# Altium PCB SAC100001-RFSENS.PcbDoc (part 1 of 4) (continued)
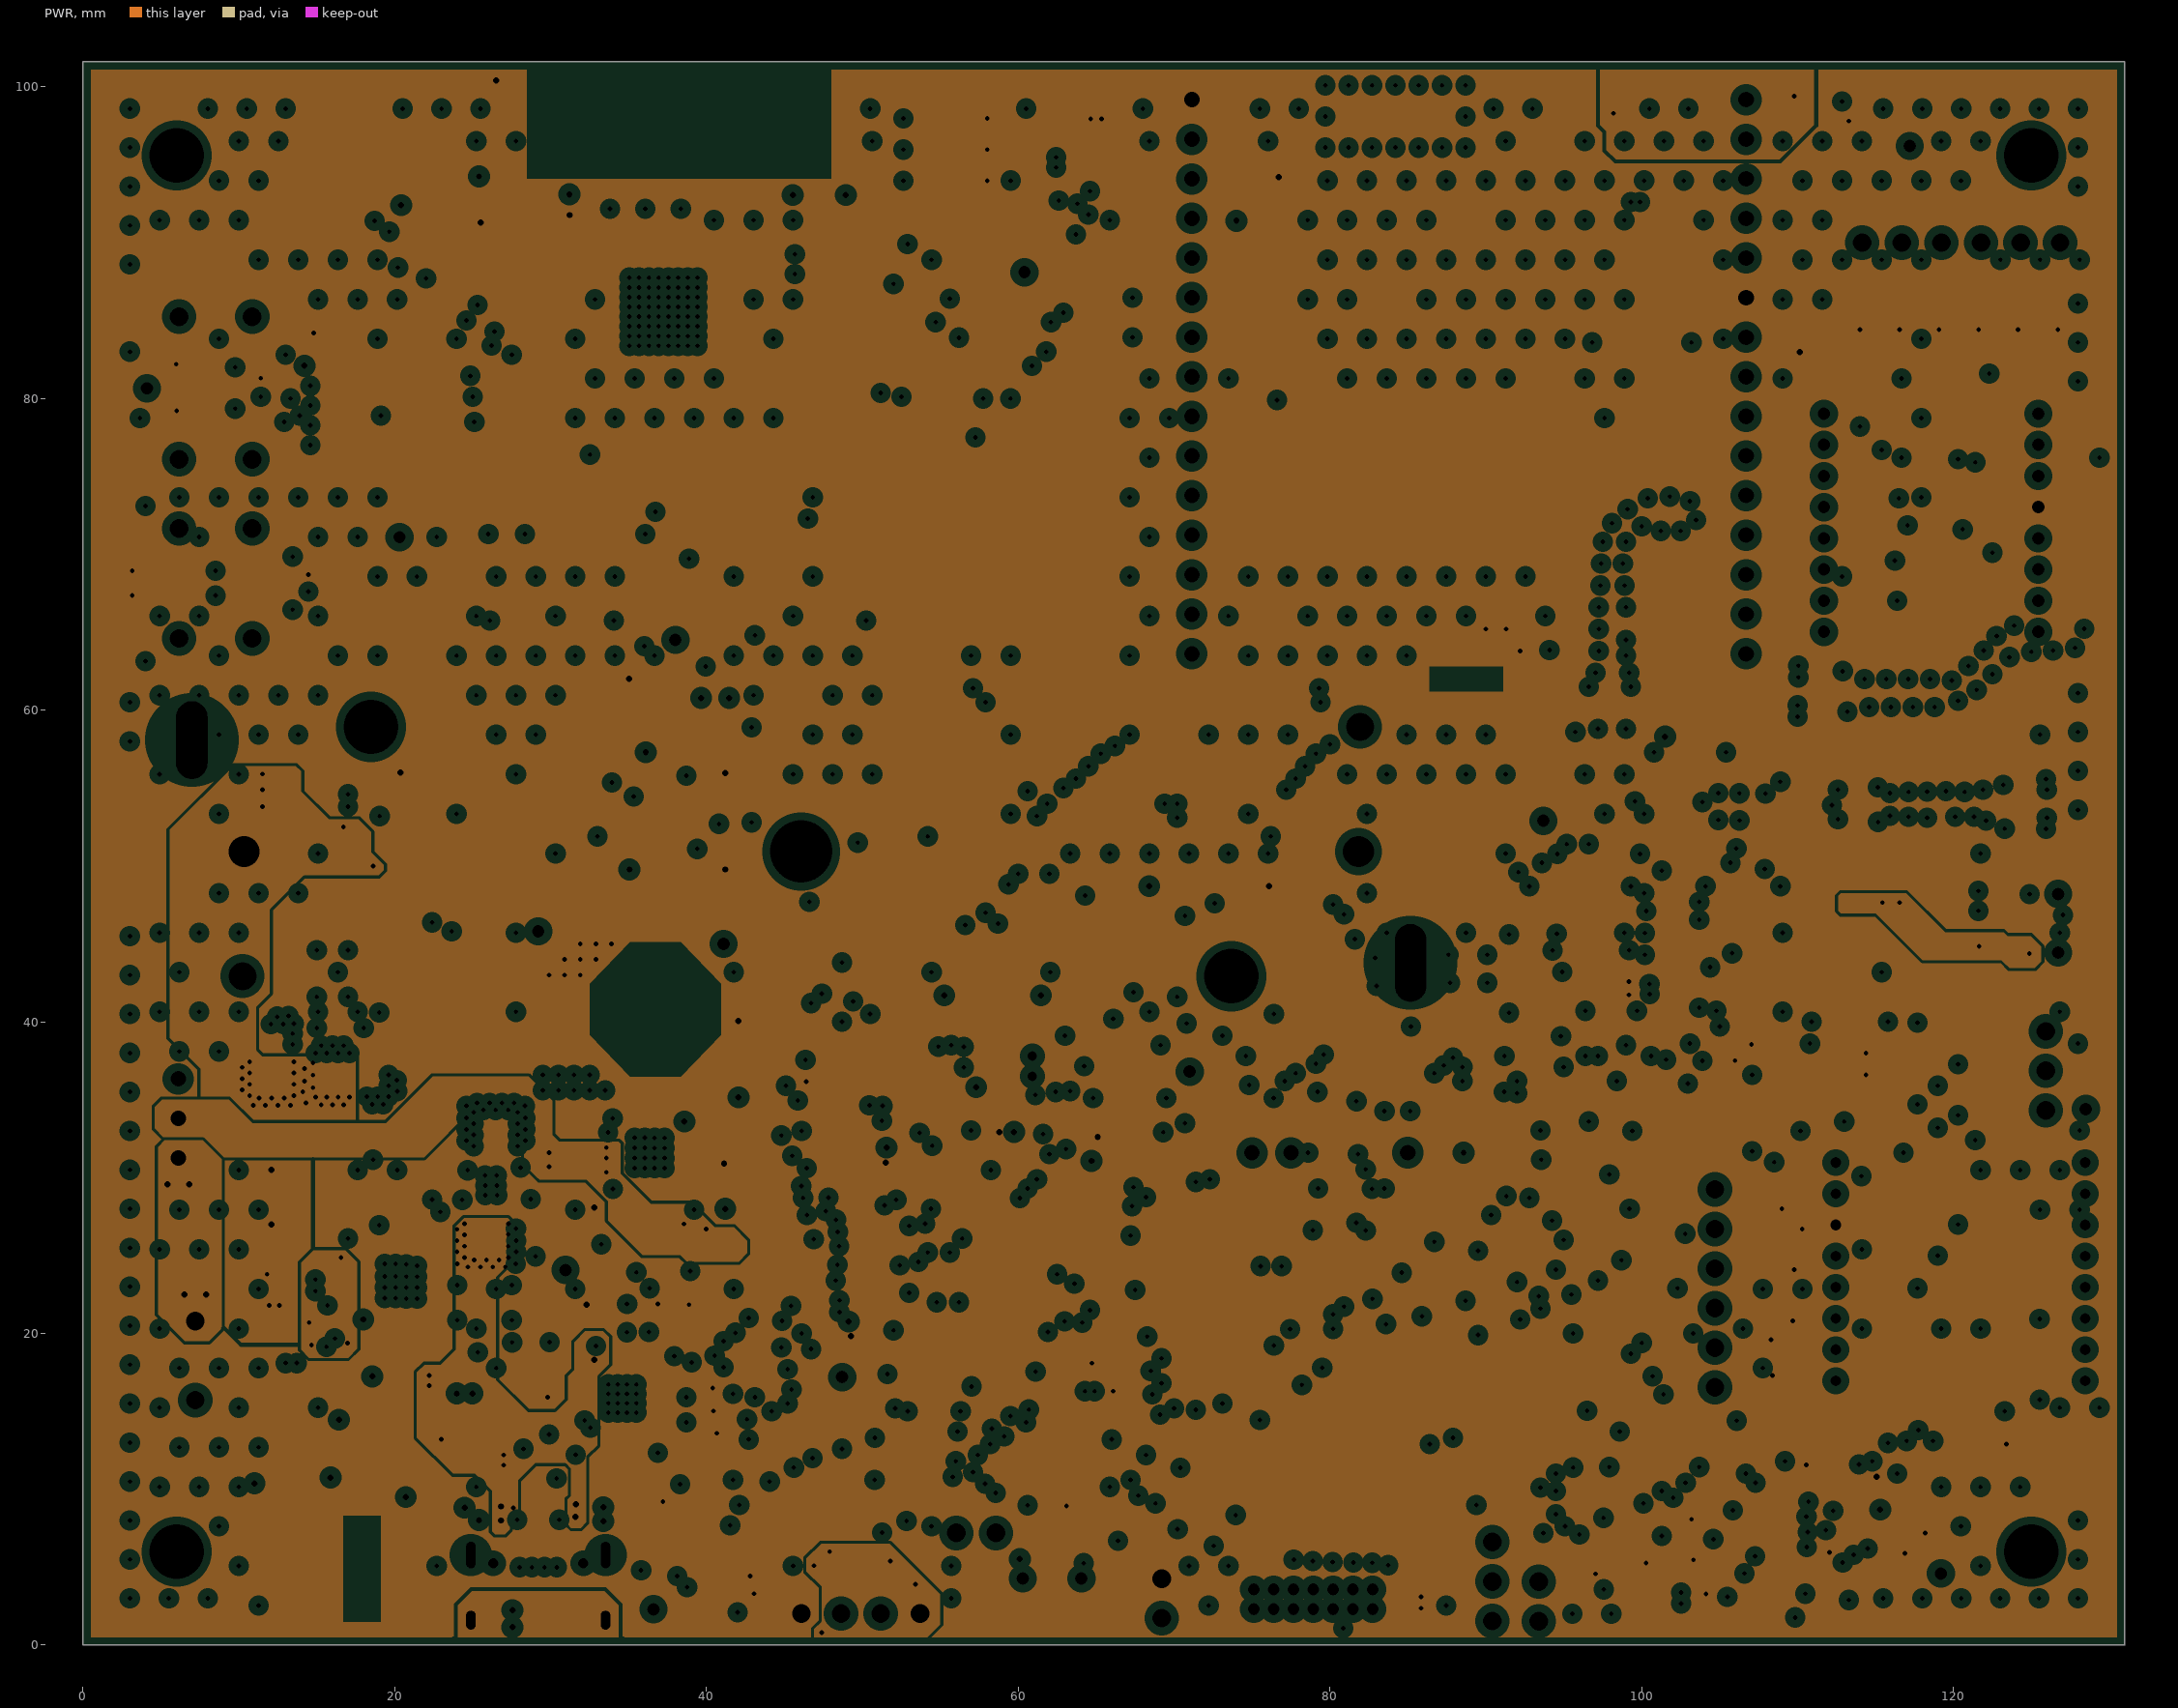
[diagram p3: PWR, clearances drawn from the general rule]
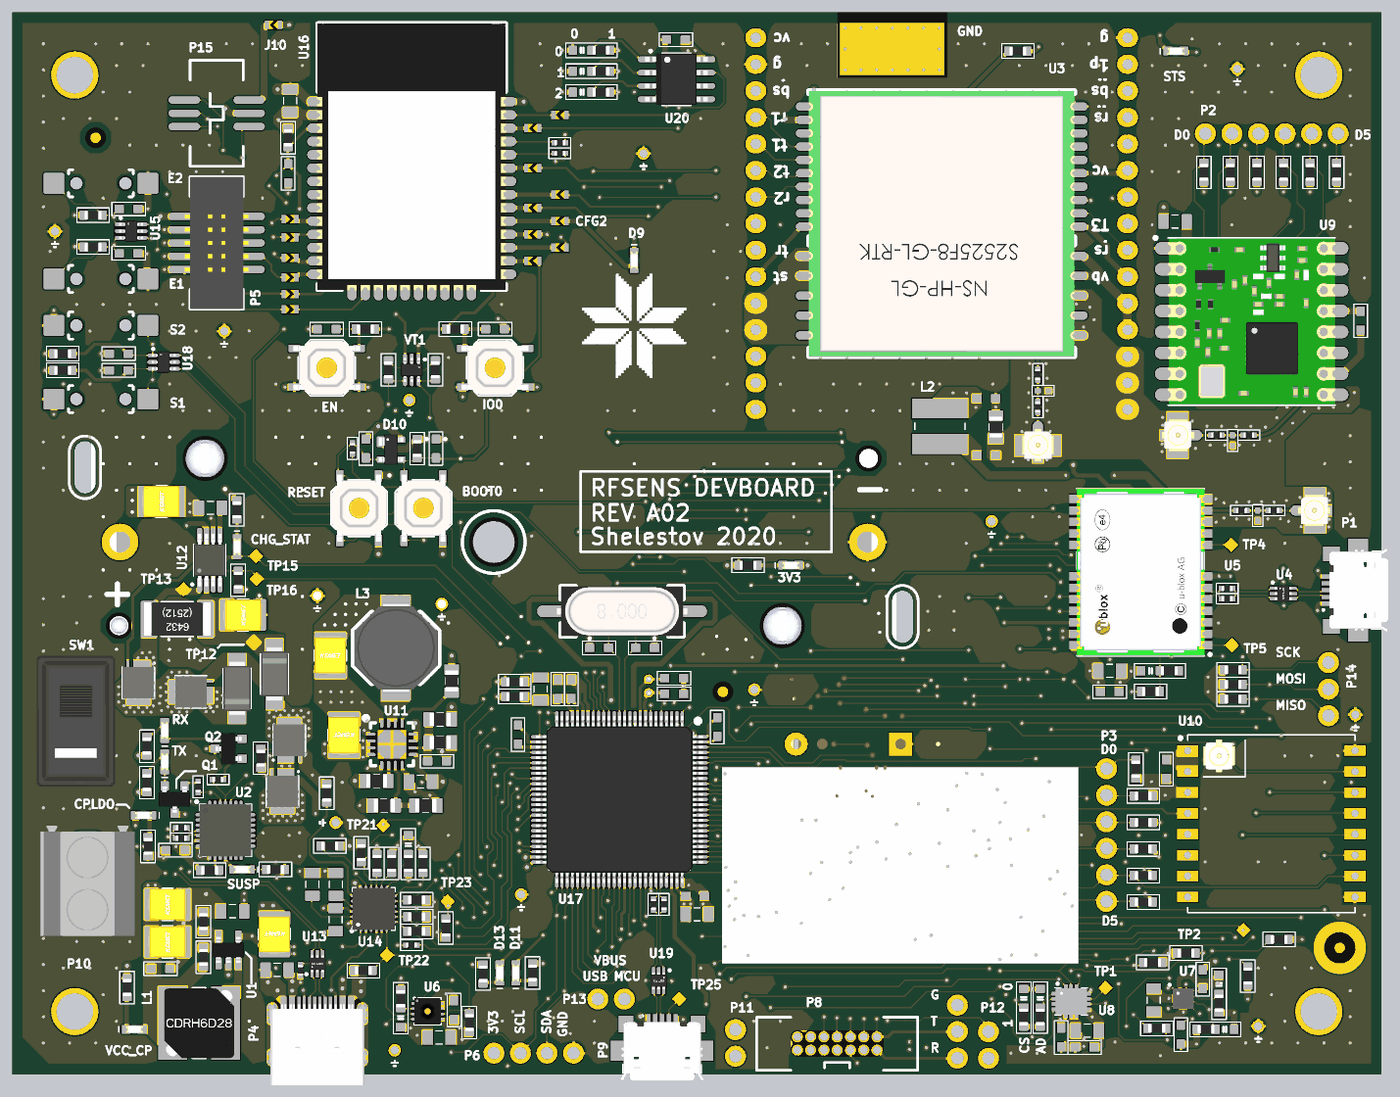
[diagram p7: 3D render of the assembled board from above, using the file's embedded part models]

## Layer stack, top to bottom
Top Solder: solder mask 0.0102, Solder Resist, Dk 3.5
TOP: signal copper 0.035
Dielectric 2: prepreg 0.1, PP-006, Dk 4.2
GND: plane copper 0.0175, net (Multiple Nets)
Dielectric 1: core 1.265, Core-009, Dk 4.5
PWR: plane copper 0.0175, net (Multiple Nets)
Dielectric 3: prepreg 0.1, PP-006, Dk 4.2
BOT: signal copper 0.035
Bottom Solder: solder mask 0.0102, Solder Resist, Dk 3.5

## Board outline
0,0 131,0 131,101.6 0,101.6

## Design rules (kind name [scope] priority, off if disabled: settings)
Clearance [All] p1: gap=0.15 ignorepadtopadclearanceinfootprint=FALSE except(0.089: Arc-Arc Arc-Track Track-Track; 0.1: SMDPad-SMDPad SMDPad-Hole; 0.2: SMDPad-Via)
ComponentClearance ComponentClearance_SMD_JUMPER [HasFootprint('CFG_J_0603')] p1: gap=0.1 collisioncheckmode=3 verticalgap=0.1 showdistances=FALSE
ComponentClearance [All] p2: gap=0.254 collisioncheckmode=3 verticalgap=0.254 showdistances=FALSE
DiffPairsRouting [All] p1: maxlimit=0.35 minlimit=0.111 mostfreqgap=0.203 toplayer_mingap=0.111 toplayer_maxgap=0.35 toplayer_minwidth=0.1 toplayer_maxwidth=0.16 toplayer_prefwidth=0.127 bottomlayer_minwidth=0.1 bottomlayer_maxwidth=0.16 bottomlayer_prefwidth=0.127 maxuncoupledlength=12.7
HoleSize [All] p1: absolutevalues=TRUE maxlimit=5.08 minlimit=0.025 maxpercent=80.000 minpercent=20.000
MinimumSolderMaskSliver [All] p1: minsoldermaskwidth=0.1
PlaneClearance [All] p1: clearance=0.508
PlaneConnect [All] p1: planeconnectstyle=Direct reliefexpansion=0.508 reliefentries=4 reliefconductorwidth=0.254 reliefairgap=0.254
PolygonConnect PolygonConnect_RFGND [InNet('RFGND') vs InNet('RFGND')] p1: connectstyle=Direct reliefconductorwidth=0.254 reliefentries=4 polygonreliefangle="90 Angle" airgapwidth=0.254
PolygonConnect PolygonConnect_GND [InNet('GND') and IsVia vs InNet('GND')] p2: connectstyle=Direct reliefconductorwidth=0.254 reliefentries=4 polygonreliefangle="90 Angle" airgapwidth=0.254
PolygonConnect PolygonConnect_CP_THERM [Name = 'GND_L04_P069'] p3: connectstyle=Direct reliefconductorwidth=0.254 reliefentries=4 polygonreliefangle="90 Angle" airgapwidth=0.254
PolygonConnect [All] p4: connectstyle=Relief reliefconductorwidth=0.254 reliefentries=4 polygonreliefangle="90 Angle" airgapwidth=0.254
RoutingVias RoutingVias_POWER [InNetClass('POWER_NET_CLASS')] p1: holewidth=0.4 width=0.8 viastyle="Through Hole" minholewidth=0.3 minwidth=0.6 maxholewidth=0.5 maxwidth=1.27
RoutingVias [All] p2: holewidth=0.3 width=0.6 viastyle="Through Hole" minholewidth=0.2 minwidth=0.45 maxholewidth=6.5 maxwidth=6.5
SilkToSolderMaskClearance [IsPad] p1: minsilkscreentomaskgap=0.17 clearancetoexposedcopper=TRUE
SolderMaskExpansion SolderMaskExpansion_VIA [IsVia] p1: expansion=0.102 istentingtop=TRUE
SolderMaskExpansion [All] p2: expansion=0.102 istentingtop=FALSE
Width Width_Power [InNetClass('POWER_NET_CLASS')] p1: maxlimit=2.5 minlimit=0.089 preferedwidth=0.65 minimp=50.000000 maximp=50.000000 favimp=50.000000
Width [All] p2: maxlimit=1.5 minlimit=0.089 preferedwidth=0.127 minimp=50.000000 maximp=50.000000 favimp=50.000000
23 further rules are at their usual default settings.

## Classes and differential pairs
net class POWER_NET_CLASS: 3V3 CHG_TIM CP_LDO FB_MAIN_DC GND GPS_VBAT NetL1_1 NetL3_1 NetSW1_3 RFGND RFVCC STAGND STAVCC SVBUSa SVBUSb TYPEC_SHIELD UGND VB_CONST VBUS VBUS_RAW VBUSc VBUSd VBUSi VBUSs VCC_CP VCCeprog VCCjeprog VIN_MAIN_DC VLI-ION VPLUG
net class USB: C_D0_N C_D0_P C_D_N C_D_P ST_D0_N ST_D0_P ST_D1_N ST_D1_P ST_D_N ST_D_P UB_D0_N UB_D0_P UB_D1_N UB_D1_P UB_D_N UB_D_P USB_D1_N USB_D1_P
differential pair ST_D: +ST_D_P -ST_D_N
differential pair UB_D: +UB_D_P -UB_D_N
differential pair USB_D1: +USB_D1_P -USB_D1_N
differential pair C_D: +C_D_P -C_D_N
differential pair ST_D0: +ST_D0_P -ST_D0_N
differential pair C_D0: +C_D0_P -C_D0_N
differential pair ST_D1: +ST_D1_P -ST_D1_N
differential pair UB_D0: +UB_D0_P -UB_D0_N
differential pair UB_D1: +UB_D1_P -UB_D1_N

## Components (designator, comment, footprint, x,y, rotation, side; value= is the part's Value field where it differs from the comment)
ANT1 "UFL" "U.FL CONNECTOR" 98.125,60.2 r180 top
ANT2 "UFL" "U.FL CONNECTOR" 124.575,53.95 r270 top
ANT3 "UFL" "U.FL CONNECTOR" 111.525,61.15 r90 top
B1 "CR12XX_BH500" BH500-CR1216/20/25-COMB 80,31.6 r180 bottom
B2 "18650_KEYS1042_HOLDER" 18650-COMBI 46.075,50.925 r0 bottom
C1 "10uF" CAP_SIZE_B 25.1,13.4 r90 top
C2 "1uF" C0805 21.1,15.6 r0 top
C3 "10uF" CAP_SIZE_B 14.875,12.663 r0 top
C4 "10uF" CAP_SIZE_B 14.875,16.263 r0 top
C5 "100nF" C0603 14.2,10.1 r180 top
C6 "100nF" C0603 15.625,21.45 r0 top
C7 "100nF" C0603_NOSILK 93.2,59.225 r180 top
C8 "100nF" C0603_NOSILK 93.175,64.675 r180 top
C9 "100nF" C0603 73.8,96 r45 bottom
C10 "1uF" C0805 74.6,93.8 r45 bottom
C11 "10pF" C0402 98.625,65.4 r180 top
C12 "10pF" C0402 119.15,53.45 r90 top
C13 "100nF" C0603 105,36.6 r0 top
C14 "1uF" C0805 105,38.6 r0 top
C15 "100nF" C0603 42.275,6.15 r270 top
C16 "1uF" C0805 40.85,3.525 r0 top
C17 "100nF" C0603 113.9,9.1 r90 top
C18 "1uF" C0805 109.2,7.1 r270 top
C19 "100nF" C0603 111.8,3.8 r270 top
C20 "100nF" C0603 100.35,3.525 r90 top
C21 "100nF" C0603 102.6,2.575 r0 top
C22 "1uF" C0805 102.85,4.175 r0 top
C23 "100nF" C0603 129,72.1 r90 top
C24 "1uF" C0805 111.25,81.6 r180 top
C25 "10pF" C0402 116.75,60.65 r90 top
C26 "100nF" C0603 110.4,29.2 r270 top
C27 "1uF" C0805 114.6,27.9 r270 bottom
C28 "10uF" CAP_SIZE_B 31.75,32.45 r90 top
C29 "1uF" C0805 39.075,28 r180 top
C30 "10pF" C0603 40.65,29.95 r180 top
C31 "22uF" CAP_SIZE_B 30.45,40.085 r270 top
C32 "10uF" CAP_SIZE_B 22.1,43.95 r0 top
C33 "10uF" CAP_SIZE_B 14.3,54.8 r0 top
C34 "100nF" C0805 18.975,54.2 r0 top
C35 "1uF" C0805 25.35,10 r0 top
C36 "1uF" C0805 30.95,14.8 r270 top
C37 "1uF" C0805 30.975,18.175 r270 top
C38 "1uF" C0805 28.725,18.175 r270 top
C39 "100uF" CAP_SIZE_B 29.2,92.45 r90 bottom
C40 "1uF" C0805 26.6,93.15 r270 top
C41 "1nF" C0603 11.15,78.55 r0 top
C42 "1nF" C0603 11.15,82.8 r0 top
C43 "1nF" C0603 26.4,86.2 r90 top
C44 "1nF" C0603 46.2,71.3 r180 top
C45 "1nF" C0603 30.1,71.3 r0 top
C46 "100nF" C0603 59.3,32.1 r180 bottom
C47 "100nF" C0603_NOSILK 65.325,17.05 r0 top
C48 "100nF" C0603 50.25,20.6 r270 bottom
C49 "100nF" C0603 67.45,33.225 r90 top
C50 "100nF" C0603 64,31.7 r90 bottom
C51 "100nF" C0603 48.4,32.5 r270 top
C52 "1nF" C0603 33.85,59.875 r270 top
C53 "1uF" C0805 50.55,36.85 r270 top
C54 "100nF" C0603 52.2,36.85 r270 top
C55 "10nF" C0603 53.5,36.85 r270 top
C56 "1nF" C0603 40.55,59.875 r90 top
C57 "20pF" C0603 56.15,40.8 r0 top
C58 "20pF" C0603 60.55,40.8 r180 top
C59 "1nF" C0603 10.2,67.35 r180 top
C60 "4.3pF" C0603 63.325,37.9 r180 top
C61 "4.3pF" C0603 63.325,36.4 r180 top
C62 "1nF" C0603 10.2,68.95 r180 top
C63 "1uF" C0805 65.525,15.3 r0 top
C64 "1uF" C0805 52.2,31.4 r270 bottom
C65 "100nF" C0603 63.5,99 r0 top
C66 "1uF" C0805 63.6,96.7 r0 bottom
C67 "100nF" C0805 32.275,32.15 r270 bottom
C68 "1nF" C1206 30.4,1.7 r0 bottom
CFG1 "CFG3_ORTH" CFG_0603 105.8,47.375 r90 bottom
CFG2 "CFG3_ORTH" CFG_0603 105.8,43.1 r90 bottom
CFG3 "CFG3_ORTH" CFG_0603 97.5,47.375 r90 bottom
CFG4 "CFG3_ORTH" CFG_0603 97.5,43.1 r90 bottom
CFG5 "CFG3_ORTH" CFG_0603 109.275,7.8 r90 bottom
CFG6 "CFG3_ORTH" CFG_0603 112.95,9.65 r180 bottom
CFG7 "CFG3_ORTH" CFG_0603 104.575,7.05 r90 bottom
CFG8 "CFG3_ORTH" CFG_0603 26.6,86.8 r270 bottom
D1 "LED" LED_0604 14.6,29.9 r90 top
D2 "LED" LED_0604 14.6,32.9 r90 top
D3 "LED" LED_0604 22,19.6 r180 top
D4 "LED" LED_0604 111.325,97.9 r0 top
D5 "SMD-DIODE-SCHOTTKY-40V-3A(DO-214AB)" DO-214AC 21.525,36.925 r270 top
D6 "SMD-DIODE-SCHOTTKY-40V-3A(DO-214AB)" DO-214AC 25.1,38.3 r90 top
D7 "LED" LED_0604 21.525,50.475 r270 top
D8 "PRTR5V0U2X,215" SOT143B 29.2,9 r270 bottom
D9 "LED" LED_0604 59.5,77.875 r270 top
D10 "PRTR5V0U2X,215" SOT143B 36.25,59.775 r270 top
D11 "LED" LED_0604 46.65,9.7 r90 top
D12 "PRTR5V0U2X,215" SOT143B 14.5,68.15 r180 bottom
D13 "LED" LED_0604 48.186,9.701 r90 top
D14 "PRTR5V0U2X,215" SOT143B 87.4,3.7 r0 bottom
D15 "PRTR5V0U2X,215" SOT143B 49.925,5.025 r270 bottom
D16 "PRTR5V0U2X,215" SOT143B 11.5,80.7 r180 bottom
D17 "LED" LED_0604 12.575,24.775 r180 top
D18 "LED" LED_0604 11.7,4.3 r0 top
D19 "LED" LED_0604 74.5,48.7 r0 top
FID1 "FIDUCIALS" FID_C_2-1 8,89.6 r270 top
FID2 "FIDUCIALS" FID_C_5-3-1 127,12.1 r180 top
FID3 "FIDUCIALS" FID_C_2-1 68,36.6 r270 top
HOLE1 "HOLE_M3" HOLE_M3 125,6 r180 top
HOLE2 "HOLE_M3" HOLE_M3 125,95.6 r270 top
HOLE3 "HOLE_M3" HOLE_M3 6,6 r270 top
HOLE4 "HOLE_M3" HOLE_M3 6,95.6 r270 top
J1 "CFG2" CFG_J_0603 105.45,53.8 r0 bottom
J2 "CFG2" CFG_J_0603 68.65,83.925 r180 bottom
J3 "CFG2" CFG_J_0603 68.65,86.473 r180 bottom
J4 "CFG2" CFG_J_0603 68.65,89.013 r180 bottom
J5 "CFG2" CFG_J_0603 68.65,91.553 r180 bottom
J6 "CFG2" CFG_J_0603 98.85,83.65 r0 bottom
J7 "CFG2" CFG_J_0603 104.2,57.3 r0 bottom
J8 "CFG2" CFG_J_0603 99.65,42.15 r0 bottom
J9 "CFG2" CFG_J_0603 14.6,83.1 r180 bottom
J10 "CFG2" CFG_J_0603 25,100.4 r0 top
J11 "CFG2" CFG_J_0603 49.8,77.82 r0 top
J12 "CFG2" CFG_J_0603 52.4,81.63 r0 top
J13 "CFG2" CFG_J_0603 26.6,76.25 r180 top
J14 "CFG2" CFG_J_0603 26.6,73.18 r180 top
J15 "CFG2" CFG_J_0603 26.6,78.12 r180 top
J16 "CFG2" CFG_J_0603 26.6,74.655 r180 top
J17 "CFG2" CFG_J_0603 52.4,79.09 r0 top
J18 "CFG2" CFG_J_0603 49.8,80.36 r0 top
J19 "CFG2" CFG_J_0603 49.8,82.9 r0 top
J20 "CFG2" CFG_J_0603 52.4,84.17 r0 top
J21 "CFG2" CFG_J_0603 49.8,86.71 r0 top
J22 "CFG2" CFG_J_0603 49.8,90.52 r0 top
J23 "CFG2" CFG_J_0603 52.4,91.79 r0 top
J24 "CFG2" CFG_J_0603 43.35,87.925 r180 bottom
J25 "CFG2" CFG_J_0603 43.35,89.325 r180 bottom
J26 "CFG2" CFG_J_0603 26.6,81.83 r180 top
J27 "CFG2" CFG_J_0603 26.6,80.085 r180 top
J28 "CFG2" CFG_J_0603 23.6,87 r90 bottom
L1 "" L_CDRH6D28 17.9,4.9 r0 top
L2 "" L_CDRH4D18 88.75,62 r180 top
L3 "" L_CDRH8D43 36.725,40.8 r270 top
P1 "440247-2" CON-UUSB-F-2 128.75,46.325 r90 top
P2 "HEADER 1x6" "HEADER 1x6 2.54" 120.5,90 r90 top
P3 "HEADER 1x6" "HEADER 1x6 2.54" 104.7,22.89 r0 top
P4 "CON-USB-TYPE-C-B-229" USB-TYPE-C-B-229 29.2,4.15 r0 top
P5 "BH-10_JTAG_ESP-PROG" BH-10-SMD-1.27 19.575,79.54 r90 top
P6 "HEADER 1x4" "HEADER 1x4 2.54" 49.9,2.025 r90 top
P7 "UART_2.54" UART_2.54 90.425,4.085 r180 top
P8 "BH-14_JTAG_STLINK" BH-14-1.27 78.93,2.949 r180 top
P9 "440247-2" CON-UUSB-F-2 62.175,2.25 r0 top
P10 "DC_TERM_BLK" TERM_BLK_2.54 7.2,18.26 r270 top
P11 "HEADER 1x2" "HEADER 1x2 2.54" 69.2,3 r180 top
P12 "HEADER 1x2" "HEADER 1x2 2.54" 93.4,2.8 r180 top
P13 "HEADER 1x2" "HEADER 1x2 2.54" 57.3,7.2 r90 top
P14 "HEADER 1x3" UART_2.54 125.925,36.85 r180 top
P15 "BH-6_UART_ESP-PROG" BH-6-SMD-1.27 19.575,91.95 r90 top
Q1 "BSS84LT1G" SOT-23_TO-236 15.55,26.3 r90 top
Q2 "BSS84LT1G" SOT-23_TO-236 20.7,31.15 r0 top
Q3 "IRFHM9331" PQFN-3X3 17.1,36.6 r180 top
Q4 "IRFHM9331" PQFN-3X3 12.075,37.45 r270 top
Q5 "IRFHM9331" PQFN-3X3 25.862,27.064 r270 top
Q6 "IRFHM9331" PQFN-3X3 26.512,31.964 r90 top
R1 "Value" R0603 18.3,11.2 r270 top
R2 "Value" R0603 18.3,14.6 r270 top
R3 "Value" R0603 12.9,31.4 r270 top
R4 "Value" R0603 12.9,27.9 r270 top
R5 "Value" R0603 18.9,19.525 r180 top
R6 "Value" R0402 17.8,27.5 r90 top
R7 "Value" R0402 19.7,28.2 r180 top
R8 "Value" R0402 16.187,23.59 r0 top
R9 "Value" R0603 25.2,19.6 r180 top
R10 "Value" R0402 16.187,22.59 r0 top
R11 "Value" R0805 94.1,61.925 r90 top
R12 "Value" R0603 96.2,97.9 r0 top
R13 "Value" R0402 98.125,63.85 r90 top
R14 "Value" R0402 98.125,66.95 r90 top
R15 "Value" R0402 116.225,45.5 r0 top
R16 "Value" R0402 116.225,46.5 r0 top
R17 "Value" R0402 117.6,53.95 r0 top
R18 "Value" R0402 120.7,53.95 r0 top
R19 "Value" R0603 45.05,9.6 r90 top
R20 "Value" RJ0603 109.8,38.6 r180 top
R21 "Value" R0603 108.9,36.625 r0 top
R22 "Value" R0603 43.75,4.95 r270 top
R23 "Value" R0603 109.5,4.4 r0 top
R24 "Value" RJ0603 115.45,7.7 r90 top
R25 "Value" RJ0603 115.1,4.3 r0 top
R26 "Value" R0603 109.1,10.7 r180 top
R27 "Value" R0603 112.3,11.6 r0 top
R28 "Value" RJ0603 98.35,6.375 r90 top
R29 "Value" RJ0603 96.775,6.375 r90 top
R30 "Value" R0603 114,86.3 r270 top
R31 "Value" R0603 116.54,86.3 r270 top
R32 "Value" R0603 119.08,86.3 r270 top
R33 "Value" R0603 121.62,86.3 r270 top
R34 "Value" R0603 116.8,35.9 r0 top
R35 "Value" R0603 124.16,86.3 r270 top
R36 "Value" R0603 116.8,37.3 r0 top
R37 "Value" R0603 126.7,86.3 r270 top
R38 "Value" R0603 116.8,38.7 r0 top
R39 "Value" R0603 107.5,29.2 r90 top
R40 "Value" R0603 108.2,26.64 r180 top
R41 "Value" R0603 108.2,24.1 r180 top
R42 "Value" R0603 108.2,21.56 r180 top
R43 "Value" R0603 108.2,19.02 r180 top
R44 "Value" R0603 108.2,16.48 r180 top
R45 "Value" R0402 115.2,61.15 r0 top
R46 "Value" R0402 118.3,61.15 r0 top
R47 "Value" R0805 40.95,31.75 r0 top
R48 "Value" R0805 39.575,25.724 r0 top
R49 "Value" R0805 42.05,37.625 r90 top
R50 "Value" R0805 34.875,28.075 r180 top
R51 "Value" R0805 40.95,33.95 r180 top
R52 "Value" R0805 35.6,25.724 r0 top
R53 "Value" R0402 38.2,12.35 r180 top
R54 "Value" R0603 118.2,9.4 r90 top
R55 "Value" R2512 15.8,43.55 r180 top
R56 "Value" R0603 21.5,54 r270 top
R57 "Value" R0603 21.625,47.275 r90 top
R58 "Value" R0402_NOSILK 27.6,9.95 r90 top
R59 "Value" R0603 23.787,30.239 r90 top
R60 "Value" R0603 30.1,26.9 r90 top
R61 "Value" R0603 30.4,21.85 r0 top
R62 "Value" R0603 41.5,14 r270 top
R63 "Value" R0603 38.7,15.075 r0 top
R64 "Value" R0603 38.7,13.675 r0 top
R65 "Value" R0603 33.4,21.2 r90 top
R66 "Value" R0603 39.3,20.175 r90 top
R67 "Value" R0603 38.7,16.7 r0 top
R68 "Value" R0603 36.3,20.175 r90 top
R69 "Value" R0603 33.6,9.925 r0 top
R70 "Value" R0603 34.9,20.175 r270 top
R71 "Value" RJ0603 37.9,21.075 r90 top
R72 "Value" R0603 58.575,81.225 r180 bottom
R73 "Value" R0603 7.75,79.15 r180 top
R74 "Value" R0402 52.4,89.125 r180 top
R75 "Value" R0402 52.4,88.125 r180 top
R76 "Value" R0603 7.75,82.2 r180 top
R77 "Value" R0603 36,67.4 r90 top
R78 "Value" R0603 26.4,89.6 r90 top
R79 "Value" R0603 42.4,71.3 r180 top
R80 "Value" R0603 33.8,71.3 r0 top
R81 "Value" R0603 40.5,67.4 r90 top
R82 "Value" R0603 48.075,36.15 r0 top
R83 "Value" R0402 32.55,59.875 r90 top
R84 "Value" R0603 48.075,37.55 r0 top
R85 "Value" R0603 38.75,59.875 r270 top
R86 "Value" R0402 61.35,16.25 r270 top
R87 "Value" R0402 62.35,16.25 r270 top
R88 "Value" R0603 4.85,67.35 r180 top
R89 "Value" RJ0603 37.175,6.325 r270 top
R90 "Value" R0603 121.2,12.9 r180 top
R91 "Value" R0603 4.85,68.95 r180 top
R92 "Value" R0603 13,21.8 r90 top
R93 "Value" R0603 11,8.3 r270 top
R94 "Value" R0603 49.786,9.701 r90 top
R95 "Value" RJ0603 55.425,93.975 r180 top
R96 "Value" RJ0603 55.425,95.975 r180 top
R97 "Value" RJ0603 55.425,97.975 r180 top
R98 "Value" R0402 26.575,10 r180 bottom
R99 "Value" R0603 70.4,48.7 r0 top
R100 "Value" R2512 21.6,4.3 r270 bottom
R101 "Value" R0402 55,16.6 r180 bottom
R102 "Value" R0402 50.6,18.2 r0 bottom
SILK1 "SILK_FERNFLOWER" SILK_FERNFLOWER 59.5,71.6 r180 top
SW1 "SWI_2.54_2POS" "SW_1x3 2.54" 6.1,33.8 r0 top
SW2 "SWITCH_GEN_2P" SW_TACTM-35N-F 8.5,76.1 r180 top
SW3 "SWITCH_GEN_2P" SW_TACTM-35N-F 8.5,85.25 r180 top
SW4 "SWITCH_GEN_4P" SW_4X4X1.5 46.2,67.6 r0 top
SW5 "SWITCH_GEN_4P" SW_4X4X1.5 30.1,67.6 r0 top
SW6 "SWITCH_GEN_4P" SW_4X4X1.5 33.2,54.175 r90 top
SW7 "SWITCH_GEN_4P" SW_4X4X1.5 39.35,54.175 r270 top
SW8 "SWITCH_GEN_2P" SW_TACTM-35N-F 8.5,64.6 r0 top
SW9 "SWITCH_GEN_2P" SW_TACTM-35N-F 8.5,71.65 r0 top
TP1 "TEST_POINT" TP_1MM 104.6,8.275 r180 top
TP2 "TEST_POINT" TP_1MM 117.8,13.8 r270 top
TP3 "TEST_POINT" TP_1MM 127.8,46.2 r270 bottom
TP4 "TEST_POINT" TP_1MM 116.6,50.65 r90 top
TP5 "TEST_POINT" TP_1MM 116.7,41.05 r90 top
TP6 "TEST_POINT" THOOK_0.8-1 30.95,24.075 r270 top
TP7 "TEST_POINT" THOOK_0.8-1 117.2,96.2 r0 top
TP8 "TEST_POINT" THOOK_0.8-1 119.2,4.6 r0 top
TP9 "TEST_POINT" THOOK_0.8-1 38,64.5 r0 top
TP10 "TEST_POINT" THOOK_0.8-1 36.6,2.3 r0 top
TP11 "TEST_POINT" THOOK_0.8-1 71,36.8 r0 top
TP12 "TEST_POINT" TP_1MM 23.125,41.325 r90 top
TP13 "TEST_POINT" TP_1MM 16.4,46.4 r90 top
TP14 "TEST_POINT" THOOK_0.8-1 60.4,88.1 r0 top